# KiCad board panel.kicad_pcb (continued)
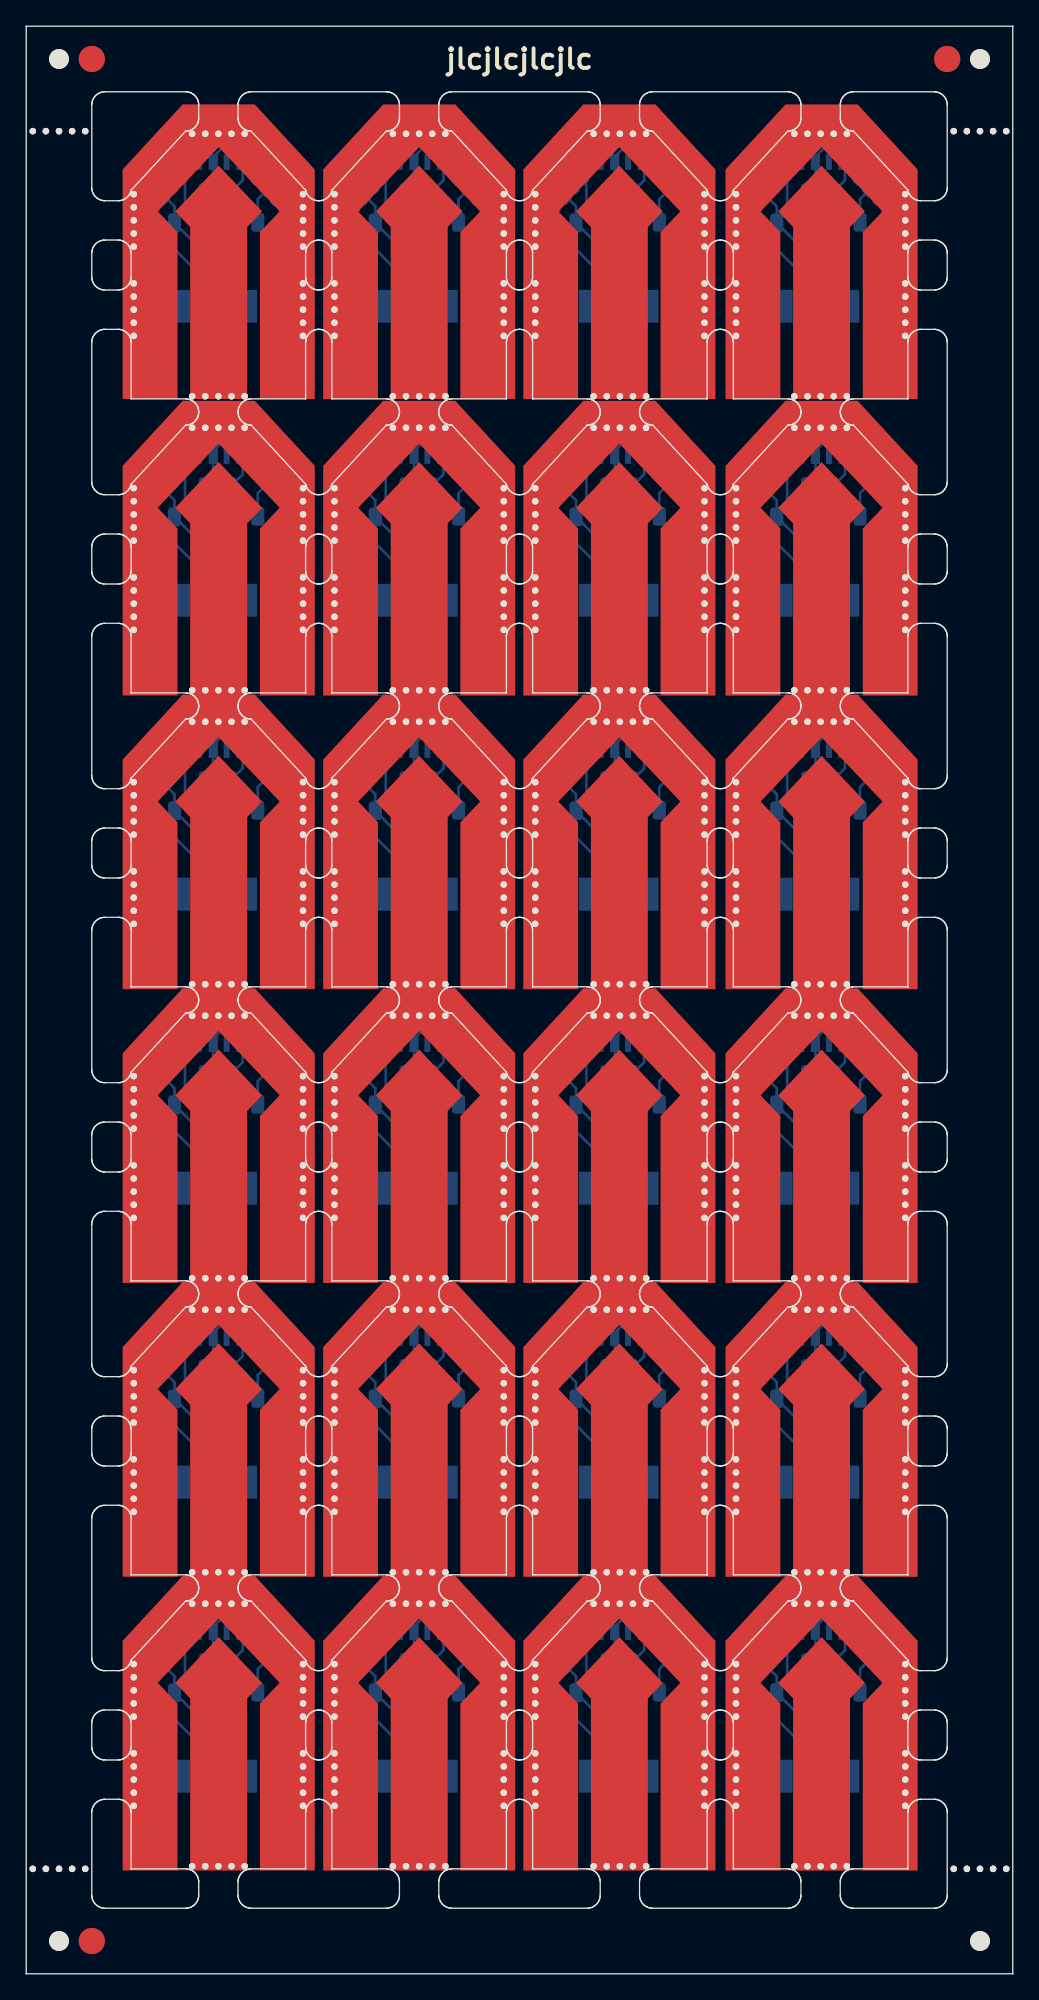
[diagram p0: board, top side]
## Placement (name value [footprint] x y rotation side) (continued)
KiKit_MB_47_2  -  [NPTH]  59.58 117.89 0 top
KiKit_MB_47_3  -  [NPTH]  60.58 117.89 0 top
KiKit_MB_47_4  -  [NPTH]  61.58 117.89 0 top
KiKit_MB_47_5  -  [NPTH]  62.58 117.89 0 top
KiKit_MB_48_1  -  [NPTH]  62.58 97.87 0 top
KiKit_MB_48_2  -  [NPTH]  61.58 97.87 0 top
KiKit_MB_48_3  -  [NPTH]  60.58 97.87 0 top
KiKit_MB_48_4  -  [NPTH]  59.58 97.87 0 top
KiKit_MB_48_5  -  [NPTH]  58.58 97.87 0 top
KiKit_MB_49_1  -  [NPTH]  8.2 86.87 0 top
KiKit_MB_49_2  -  [NPTH]  8.2 87.87 0 top
KiKit_MB_49_3  -  [NPTH]  8.2 88.87 0 top
KiKit_MB_49_4  -  [NPTH]  8.2 89.87 0 top
KiKit_MB_49_5  -  [NPTH]  8.2 90.87 0 top
KiKit_MB_50_1  -  [NPTH]  8.2 80.06 0 top
KiKit_MB_50_2  -  [NPTH]  8.2 81.06 0 top
KiKit_MB_50_3  -  [NPTH]  8.2 82.06 0 top
KiKit_MB_50_4  -  [NPTH]  8.2 83.06 0 top
KiKit_MB_50_5  -  [NPTH]  8.2 84.06 0 top
KiKit_MB_51_1  -  [NPTH]  21.11 90.87 0 top
KiKit_MB_51_2  -  [NPTH]  21.11 89.87 0 top
KiKit_MB_51_3  -  [NPTH]  21.11 88.87 0 top
KiKit_MB_51_4  -  [NPTH]  21.11 87.87 0 top
KiKit_MB_51_5  -  [NPTH]  21.11 86.87 0 top
KiKit_MB_52_1  -  [NPTH]  21.11 84.06 0 top
KiKit_MB_52_2  -  [NPTH]  21.11 83.06 0 top
KiKit_MB_52_3  -  [NPTH]  21.11 82.06 0 top
KiKit_MB_52_4  -  [NPTH]  21.11 81.06 0 top
KiKit_MB_52_5  -  [NPTH]  21.11 80.06 0 top
KiKit_MB_53_1  -  [NPTH]  12.65 95.47 0 top
KiKit_MB_53_2  -  [NPTH]  13.65 95.47 0 top
KiKit_MB_53_3  -  [NPTH]  14.65 95.47 0 top
KiKit_MB_53_4  -  [NPTH]  15.65 95.47 0 top
KiKit_MB_53_5  -  [NPTH]  16.65 95.47 0 top
KiKit_MB_54_1  -  [NPTH]  16.65 75.45 0 top
KiKit_MB_54_2  -  [NPTH]  15.65 75.45 0 top
KiKit_MB_54_3  -  [NPTH]  14.65 75.45 0 top
KiKit_MB_54_4  -  [NPTH]  13.65 75.45 0 top
KiKit_MB_54_5  -  [NPTH]  12.65 75.45 0 top
KiKit_MB_55_1  -  [NPTH]  23.51 86.87 0 top
KiKit_MB_55_2  -  [NPTH]  23.51 87.87 0 top
KiKit_MB_55_3  -  [NPTH]  23.51 88.87 0 top
KiKit_MB_55_4  -  [NPTH]  23.51 89.87 0 top
KiKit_MB_55_5  -  [NPTH]  23.51 90.87 0 top
KiKit_MB_56_1  -  [NPTH]  23.51 80.06 0 top
KiKit_MB_56_2  -  [NPTH]  23.51 81.06 0 top
KiKit_MB_56_3  -  [NPTH]  23.51 82.06 0 top
KiKit_MB_56_4  -  [NPTH]  23.51 83.06 0 top
KiKit_MB_56_5  -  [NPTH]  23.51 84.06 0 top
KiKit_MB_57_1  -  [NPTH]  36.42 90.87 0 top
KiKit_MB_57_2  -  [NPTH]  36.42 89.87 0 top
KiKit_MB_57_3  -  [NPTH]  36.42 88.87 0 top
KiKit_MB_57_4  -  [NPTH]  36.42 87.87 0 top
KiKit_MB_57_5  -  [NPTH]  36.42 86.87 0 top
KiKit_MB_58_1  -  [NPTH]  36.42 84.06 0 top
KiKit_MB_58_2  -  [NPTH]  36.42 83.06 0 top
KiKit_MB_58_3  -  [NPTH]  36.42 82.06 0 top
KiKit_MB_58_4  -  [NPTH]  36.42 81.06 0 top
KiKit_MB_58_5  -  [NPTH]  36.42 80.06 0 top
KiKit_MB_59_1  -  [NPTH]  27.96 95.47 0 top
KiKit_MB_59_2  -  [NPTH]  28.96 95.47 0 top
KiKit_MB_59_3  -  [NPTH]  29.96 95.47 0 top
KiKit_MB_59_4  -  [NPTH]  30.96 95.47 0 top
KiKit_MB_59_5  -  [NPTH]  31.96 95.47 0 top
KiKit_MB_60_1  -  [NPTH]  31.96 75.45 0 top
KiKit_MB_60_2  -  [NPTH]  30.96 75.45 0 top
KiKit_MB_60_3  -  [NPTH]  29.96 75.45 0 top
KiKit_MB_60_4  -  [NPTH]  28.96 75.45 0 top
KiKit_MB_60_5  -  [NPTH]  27.96 75.45 0 top
KiKit_MB_61_1  -  [NPTH]  38.82 86.87 0 top
KiKit_MB_61_2  -  [NPTH]  38.82 87.87 0 top
KiKit_MB_61_3  -  [NPTH]  38.82 88.87 0 top
KiKit_MB_61_4  -  [NPTH]  38.82 89.87 0 top
KiKit_MB_61_5  -  [NPTH]  38.82 90.87 0 top
KiKit_MB_62_1  -  [NPTH]  38.82 80.06 0 top
KiKit_MB_62_2  -  [NPTH]  38.82 81.06 0 top
KiKit_MB_62_3  -  [NPTH]  38.82 82.06 0 top
KiKit_MB_62_4  -  [NPTH]  38.82 83.06 0 top
KiKit_MB_62_5  -  [NPTH]  38.82 84.06 0 top
KiKit_MB_63_1  -  [NPTH]  51.73 90.87 0 top
KiKit_MB_63_2  -  [NPTH]  51.73 89.87 0 top
KiKit_MB_63_3  -  [NPTH]  51.73 88.87 0 top
KiKit_MB_63_4  -  [NPTH]  51.73 87.87 0 top
KiKit_MB_63_5  -  [NPTH]  51.73 86.87 0 top
KiKit_MB_64_1  -  [NPTH]  51.73 84.06 0 top
KiKit_MB_64_2  -  [NPTH]  51.73 83.06 0 top
KiKit_MB_64_3  -  [NPTH]  51.73 82.06 0 top
KiKit_MB_64_4  -  [NPTH]  51.73 81.06 0 top
KiKit_MB_64_5  -  [NPTH]  51.73 80.06 0 top
KiKit_MB_65_1  -  [NPTH]  43.27 95.47 0 top
KiKit_MB_65_2  -  [NPTH]  44.27 95.47 0 top
KiKit_MB_65_3  -  [NPTH]  45.27 95.47 0 top
KiKit_MB_65_4  -  [NPTH]  46.27 95.47 0 top
KiKit_MB_65_5  -  [NPTH]  47.27 95.47 0 top
KiKit_MB_66_1  -  [NPTH]  47.27 75.45 0 top
KiKit_MB_66_2  -  [NPTH]  46.27 75.45 0 top
KiKit_MB_66_3  -  [NPTH]  45.27 75.45 0 top
KiKit_MB_66_4  -  [NPTH]  44.27 75.45 0 top
KiKit_MB_66_5  -  [NPTH]  43.27 75.45 0 top
KiKit_MB_67_1  -  [NPTH]  54.13 86.87 0 top
KiKit_MB_67_2  -  [NPTH]  54.13 87.87 0 top
KiKit_MB_67_3  -  [NPTH]  54.13 88.87 0 top
KiKit_MB_67_4  -  [NPTH]  54.13 89.87 0 top
KiKit_MB_67_5  -  [NPTH]  54.13 90.87 0 top
KiKit_MB_68_1  -  [NPTH]  54.13 80.06 0 top
KiKit_MB_68_2  -  [NPTH]  54.13 81.06 0 top
KiKit_MB_68_3  -  [NPTH]  54.13 82.06 0 top
KiKit_MB_68_4  -  [NPTH]  54.13 83.06 0 top
KiKit_MB_68_5  -  [NPTH]  54.13 84.06 0 top
KiKit_MB_69_1  -  [NPTH]  67.03 90.87 0 top
KiKit_MB_69_2  -  [NPTH]  67.03 89.87 0 top
KiKit_MB_69_3  -  [NPTH]  67.03 88.87 0 top
KiKit_MB_69_4  -  [NPTH]  67.03 87.87 0 top
KiKit_MB_69_5  -  [NPTH]  67.03 86.87 0 top
KiKit_MB_70_1  -  [NPTH]  67.03 84.06 0 top
KiKit_MB_70_2  -  [NPTH]  67.03 83.06 0 top
KiKit_MB_70_3  -  [NPTH]  67.03 82.06 0 top
KiKit_MB_70_4  -  [NPTH]  67.03 81.06 0 top
KiKit_MB_70_5  -  [NPTH]  67.03 80.06 0 top
KiKit_MB_71_1  -  [NPTH]  58.58 95.47 0 top
KiKit_MB_71_2  -  [NPTH]  59.58 95.47 0 top
KiKit_MB_71_3  -  [NPTH]  60.58 95.47 0 top
KiKit_MB_71_4  -  [NPTH]  61.58 95.47 0 top
KiKit_MB_71_5  -  [NPTH]  62.58 95.47 0 top
KiKit_MB_72_1  -  [NPTH]  62.58 75.45 0 top
KiKit_MB_72_2  -  [NPTH]  61.58 75.45 0 top
KiKit_MB_72_3  -  [NPTH]  60.58 75.45 0 top
KiKit_MB_72_4  -  [NPTH]  59.58 75.45 0 top
KiKit_MB_72_5  -  [NPTH]  58.58 75.45 0 top
KiKit_MB_73_1  -  [NPTH]  8.2 64.45 0 top
KiKit_MB_73_2  -  [NPTH]  8.2 65.45 0 top
KiKit_MB_73_3  -  [NPTH]  8.2 66.45 0 top
KiKit_MB_73_4  -  [NPTH]  8.2 67.45 0 top
KiKit_MB_73_5  -  [NPTH]  8.2 68.45 0 top
KiKit_MB_74_1  -  [NPTH]  8.2 57.64 0 top
KiKit_MB_74_2  -  [NPTH]  8.2 58.64 0 top
KiKit_MB_74_3  -  [NPTH]  8.2 59.64 0 top
KiKit_MB_74_4  -  [NPTH]  8.2 60.64 0 top
KiKit_MB_74_5  -  [NPTH]  8.2 61.64 0 top
KiKit_MB_75_1  -  [NPTH]  21.11 68.45 0 top
KiKit_MB_75_2  -  [NPTH]  21.11 67.45 0 top
KiKit_MB_75_3  -  [NPTH]  21.11 66.45 0 top
KiKit_MB_75_4  -  [NPTH]  21.11 65.45 0 top
KiKit_MB_75_5  -  [NPTH]  21.11 64.45 0 top
KiKit_MB_76_1  -  [NPTH]  21.11 61.64 0 top
KiKit_MB_76_2  -  [NPTH]  21.11 60.64 0 top
KiKit_MB_76_3  -  [NPTH]  21.11 59.64 0 top
KiKit_MB_76_4  -  [NPTH]  21.11 58.64 0 top
KiKit_MB_76_5  -  [NPTH]  21.11 57.64 0 top
KiKit_MB_77_1  -  [NPTH]  12.65 73.05 0 top
KiKit_MB_77_2  -  [NPTH]  13.65 73.05 0 top
KiKit_MB_77_3  -  [NPTH]  14.65 73.05 0 top
KiKit_MB_77_4  -  [NPTH]  15.65 73.05 0 top
KiKit_MB_77_5  -  [NPTH]  16.65 73.05 0 top
KiKit_MB_78_1  -  [NPTH]  16.65 53.04 0 top
KiKit_MB_78_2  -  [NPTH]  15.65 53.04 0 top
KiKit_MB_78_3  -  [NPTH]  14.65 53.04 0 top
KiKit_MB_78_4  -  [NPTH]  13.65 53.04 0 top
KiKit_MB_78_5  -  [NPTH]  12.65 53.04 0 top
KiKit_MB_79_1  -  [NPTH]  23.51 64.45 0 top
KiKit_MB_79_2  -  [NPTH]  23.51 65.45 0 top
KiKit_MB_79_3  -  [NPTH]  23.51 66.45 0 top
KiKit_MB_79_4  -  [NPTH]  23.51 67.45 0 top
KiKit_MB_79_5  -  [NPTH]  23.51 68.45 0 top
KiKit_MB_80_1  -  [NPTH]  23.51 57.64 0 top
KiKit_MB_80_2  -  [NPTH]  23.51 58.64 0 top
KiKit_MB_80_3  -  [NPTH]  23.51 59.64 0 top
KiKit_MB_80_4  -  [NPTH]  23.51 60.64 0 top
KiKit_MB_80_5  -  [NPTH]  23.51 61.64 0 top
KiKit_MB_81_1  -  [NPTH]  36.42 68.45 0 top
KiKit_MB_81_2  -  [NPTH]  36.42 67.45 0 top
KiKit_MB_81_3  -  [NPTH]  36.42 66.45 0 top
KiKit_MB_81_4  -  [NPTH]  36.42 65.45 0 top
KiKit_MB_81_5  -  [NPTH]  36.42 64.45 0 top
KiKit_MB_82_1  -  [NPTH]  36.42 61.64 0 top
KiKit_MB_82_2  -  [NPTH]  36.42 60.64 0 top
KiKit_MB_82_3  -  [NPTH]  36.42 59.64 0 top
KiKit_MB_82_4  -  [NPTH]  36.42 58.64 0 top
KiKit_MB_82_5  -  [NPTH]  36.42 57.64 0 top
KiKit_MB_83_1  -  [NPTH]  27.96 73.05 0 top
KiKit_MB_83_2  -  [NPTH]  28.96 73.05 0 top
KiKit_MB_83_3  -  [NPTH]  29.96 73.05 0 top
KiKit_MB_83_4  -  [NPTH]  30.96 73.05 0 top
KiKit_MB_83_5  -  [NPTH]  31.96 73.05 0 top
KiKit_MB_84_1  -  [NPTH]  31.96 53.04 0 top
KiKit_MB_84_2  -  [NPTH]  30.96 53.04 0 top
KiKit_MB_84_3  -  [NPTH]  29.96 53.04 0 top
KiKit_MB_84_4  -  [NPTH]  28.96 53.04 0 top
KiKit_MB_84_5  -  [NPTH]  27.96 53.04 0 top
KiKit_MB_85_1  -  [NPTH]  38.82 64.45 0 top
KiKit_MB_85_2  -  [NPTH]  38.82 65.45 0 top
KiKit_MB_85_3  -  [NPTH]  38.82 66.45 0 top
KiKit_MB_85_4  -  [NPTH]  38.82 67.45 0 top
KiKit_MB_85_5  -  [NPTH]  38.82 68.45 0 top
KiKit_MB_86_1  -  [NPTH]  38.82 57.64 0 top
KiKit_MB_86_2  -  [NPTH]  38.82 58.64 0 top
KiKit_MB_86_3  -  [NPTH]  38.82 59.64 0 top
KiKit_MB_86_4  -  [NPTH]  38.82 60.64 0 top
KiKit_MB_86_5  -  [NPTH]  38.82 61.64 0 top
KiKit_MB_87_1  -  [NPTH]  51.73 68.45 0 top
KiKit_MB_87_2  -  [NPTH]  51.73 67.45 0 top
KiKit_MB_87_3  -  [NPTH]  51.73 66.45 0 top
KiKit_MB_87_4  -  [NPTH]  51.73 65.45 0 top
KiKit_MB_87_5  -  [NPTH]  51.73 64.45 0 top
KiKit_MB_88_1  -  [NPTH]  51.73 61.64 0 top
KiKit_MB_88_2  -  [NPTH]  51.73 60.64 0 top
KiKit_MB_88_3  -  [NPTH]  51.73 59.64 0 top
KiKit_MB_88_4  -  [NPTH]  51.73 58.64 0 top
KiKit_MB_88_5  -  [NPTH]  51.73 57.64 0 top
KiKit_MB_89_1  -  [NPTH]  43.27 73.05 0 top
KiKit_MB_89_2  -  [NPTH]  44.27 73.05 0 top
KiKit_MB_89_3  -  [NPTH]  45.27 73.05 0 top
KiKit_MB_89_4  -  [NPTH]  46.27 73.05 0 top
KiKit_MB_89_5  -  [NPTH]  47.27 73.05 0 top
KiKit_MB_90_1  -  [NPTH]  47.27 53.04 0 top
KiKit_MB_90_2  -  [NPTH]  46.27 53.04 0 top
KiKit_MB_90_3  -  [NPTH]  45.27 53.04 0 top
KiKit_MB_90_4  -  [NPTH]  44.27 53.04 0 top
KiKit_MB_90_5  -  [NPTH]  43.27 53.04 0 top
KiKit_MB_91_1  -  [NPTH]  54.13 64.45 0 top
KiKit_MB_91_2  -  [NPTH]  54.13 65.45 0 top
KiKit_MB_91_3  -  [NPTH]  54.13 66.45 0 top
KiKit_MB_91_4  -  [NPTH]  54.13 67.45 0 top
KiKit_MB_91_5  -  [NPTH]  54.13 68.45 0 top
KiKit_MB_92_1  -  [NPTH]  54.13 57.64 0 top
KiKit_MB_92_2  -  [NPTH]  54.13 58.64 0 top
KiKit_MB_92_3  -  [NPTH]  54.13 59.64 0 top
KiKit_MB_92_4  -  [NPTH]  54.13 60.64 0 top
KiKit_MB_92_5  -  [NPTH]  54.13 61.64 0 top
KiKit_MB_93_1  -  [NPTH]  67.03 68.45 0 top
KiKit_MB_93_2  -  [NPTH]  67.03 67.45 0 top
KiKit_MB_93_3  -  [NPTH]  67.03 66.45 0 top
KiKit_MB_93_4  -  [NPTH]  67.03 65.45 0 top
KiKit_MB_93_5  -  [NPTH]  67.03 64.45 0 top
KiKit_MB_94_1  -  [NPTH]  67.03 61.64 0 top
KiKit_MB_94_2  -  [NPTH]  67.03 60.64 0 top
KiKit_MB_94_3  -  [NPTH]  67.03 59.64 0 top
KiKit_MB_94_4  -  [NPTH]  67.03 58.64 0 top
KiKit_MB_94_5  -  [NPTH]  67.03 57.64 0 top
KiKit_MB_95_1  -  [NPTH]  58.58 73.05 0 top
KiKit_MB_95_2  -  [NPTH]  59.58 73.05 0 top
KiKit_MB_95_3  -  [NPTH]  60.58 73.05 0 top
KiKit_MB_95_4  -  [NPTH]  61.58 73.05 0 top
KiKit_MB_95_5  -  [NPTH]  62.58 73.05 0 top
KiKit_MB_96_1  -  [NPTH]  62.58 53.04 0 top
KiKit_MB_96_2  -  [NPTH]  61.58 53.04 0 top
KiKit_MB_96_3  -  [NPTH]  60.58 53.04 0 top
KiKit_MB_96_4  -  [NPTH]  59.58 53.04 0 top
KiKit_MB_96_5  -  [NPTH]  58.58 53.04 0 top
KiKit_MB_97_1  -  [NPTH]  8.2 42.03 0 top
KiKit_MB_97_2  -  [NPTH]  8.2 43.03 0 top
KiKit_MB_97_3  -  [NPTH]  8.2 44.03 0 top
KiKit_MB_97_4  -  [NPTH]  8.2 45.03 0 top
KiKit_MB_97_5  -  [NPTH]  8.2 46.03 0 top
KiKit_MB_98_1  -  [NPTH]  8.2 35.22 0 top
KiKit_MB_98_2  -  [NPTH]  8.2 36.22 0 top
KiKit_MB_98_3  -  [NPTH]  8.2 37.22 0 top
KiKit_MB_98_4  -  [NPTH]  8.2 38.22 0 top
KiKit_MB_98_5  -  [NPTH]  8.2 39.22 0 top
KiKit_MB_99_1  -  [NPTH]  21.11 46.03 0 top
KiKit_MB_99_2  -  [NPTH]  21.11 45.03 0 top
KiKit_MB_99_3  -  [NPTH]  21.11 44.03 0 top
KiKit_MB_99_4  -  [NPTH]  21.11 43.03 0 top
KiKit_MB_99_5  -  [NPTH]  21.11 42.03 0 top
KiKit_MB_100_1  -  [NPTH]  21.11 39.22 0 top
KiKit_MB_100_2  -  [NPTH]  21.11 38.22 0 top
KiKit_MB_100_3  -  [NPTH]  21.11 37.22 0 top
KiKit_MB_100_4  -  [NPTH]  21.11 36.22 0 top
KiKit_MB_100_5  -  [NPTH]  21.11 35.22 0 top
KiKit_MB_101_1  -  [NPTH]  12.65 50.64 0 top
KiKit_MB_101_2  -  [NPTH]  13.65 50.64 0 top
KiKit_MB_101_3  -  [NPTH]  14.65 50.64 0 top
KiKit_MB_101_4  -  [NPTH]  15.65 50.64 0 top
KiKit_MB_101_5  -  [NPTH]  16.65 50.64 0 top
KiKit_MB_102_1  -  [NPTH]  16.65 30.62 0 top
KiKit_MB_102_2  -  [NPTH]  15.65 30.62 0 top
KiKit_MB_102_3  -  [NPTH]  14.65 30.62 0 top
KiKit_MB_102_4  -  [NPTH]  13.65 30.62 0 top
KiKit_MB_102_5  -  [NPTH]  12.65 30.62 0 top
KiKit_MB_103_1  -  [NPTH]  23.51 42.03 0 top
KiKit_MB_103_2  -  [NPTH]  23.51 43.03 0 top
KiKit_MB_103_3  -  [NPTH]  23.51 44.03 0 top
KiKit_MB_103_4  -  [NPTH]  23.51 45.03 0 top
KiKit_MB_103_5  -  [NPTH]  23.51 46.03 0 top
KiKit_MB_104_1  -  [NPTH]  23.51 35.22 0 top
KiKit_MB_104_2  -  [NPTH]  23.51 36.22 0 top
KiKit_MB_104_3  -  [NPTH]  23.51 37.22 0 top
KiKit_MB_104_4  -  [NPTH]  23.51 38.22 0 top
KiKit_MB_104_5  -  [NPTH]  23.51 39.22 0 top
KiKit_MB_105_1  -  [NPTH]  36.42 46.03 0 top
KiKit_MB_105_2  -  [NPTH]  36.42 45.03 0 top
KiKit_MB_105_3  -  [NPTH]  36.42 44.03 0 top
KiKit_MB_105_4  -  [NPTH]  36.42 43.03 0 top
KiKit_MB_105_5  -  [NPTH]  36.42 42.03 0 top
KiKit_MB_106_1  -  [NPTH]  36.42 39.22 0 top
KiKit_MB_106_2  -  [NPTH]  36.42 38.22 0 top
KiKit_MB_106_3  -  [NPTH]  36.42 37.22 0 top
KiKit_MB_106_4  -  [NPTH]  36.42 36.22 0 top
KiKit_MB_106_5  -  [NPTH]  36.42 35.22 0 top
KiKit_MB_107_1  -  [NPTH]  27.96 50.64 0 top
KiKit_MB_107_2  -  [NPTH]  28.96 50.64 0 top
KiKit_MB_107_3  -  [NPTH]  29.96 50.64 0 top
KiKit_MB_107_4  -  [NPTH]  30.96 50.64 0 top
KiKit_MB_107_5  -  [NPTH]  31.96 50.64 0 top
KiKit_MB_108_1  -  [NPTH]  31.96 30.62 0 top
KiKit_MB_108_2  -  [NPTH]  30.96 30.62 0 top
KiKit_MB_108_3  -  [NPTH]  29.96 30.62 0 top
KiKit_MB_108_4  -  [NPTH]  28.96 30.62 0 top
KiKit_MB_108_5  -  [NPTH]  27.96 30.62 0 top
KiKit_MB_109_1  -  [NPTH]  38.82 42.03 0 top
KiKit_MB_109_2  -  [NPTH]  38.82 43.03 0 top
KiKit_MB_109_3  -  [NPTH]  38.82 44.03 0 top
KiKit_MB_109_4  -  [NPTH]  38.82 45.03 0 top
KiKit_MB_109_5  -  [NPTH]  38.82 46.03 0 top
KiKit_MB_110_1  -  [NPTH]  38.82 35.22 0 top
KiKit_MB_110_2  -  [NPTH]  38.82 36.22 0 top
KiKit_MB_110_3  -  [NPTH]  38.82 37.22 0 top
KiKit_MB_110_4  -  [NPTH]  38.82 38.22 0 top
KiKit_MB_110_5  -  [NPTH]  38.82 39.22 0 top
KiKit_MB_111_1  -  [NPTH]  51.73 46.03 0 top
KiKit_MB_111_2  -  [NPTH]  51.73 45.03 0 top
KiKit_MB_111_3  -  [NPTH]  51.73 44.03 0 top
KiKit_MB_111_4  -  [NPTH]  51.73 43.03 0 top
KiKit_MB_111_5  -  [NPTH]  51.73 42.03 0 top
KiKit_MB_112_1  -  [NPTH]  51.73 39.22 0 top
KiKit_MB_112_2  -  [NPTH]  51.73 38.22 0 top
KiKit_MB_112_3  -  [NPTH]  51.73 37.22 0 top
KiKit_MB_112_4  -  [NPTH]  51.73 36.22 0 top
KiKit_MB_112_5  -  [NPTH]  51.73 35.22 0 top
KiKit_MB_113_1  -  [NPTH]  43.27 50.64 0 top
KiKit_MB_113_2  -  [NPTH]  44.27 50.64 0 top
KiKit_MB_113_3  -  [NPTH]  45.27 50.64 0 top
KiKit_MB_113_4  -  [NPTH]  46.27 50.64 0 top
KiKit_MB_113_5  -  [NPTH]  47.27 50.64 0 top
KiKit_MB_114_1  -  [NPTH]  47.27 30.62 0 top
KiKit_MB_114_2  -  [NPTH]  46.27 30.62 0 top
KiKit_MB_114_3  -  [NPTH]  45.27 30.62 0 top
KiKit_MB_114_4  -  [NPTH]  44.27 30.62 0 top
KiKit_MB_114_5  -  [NPTH]  43.27 30.62 0 top
KiKit_MB_115_1  -  [NPTH]  54.13 42.03 0 top
KiKit_MB_115_2  -  [NPTH]  54.13 43.03 0 top
KiKit_MB_115_3  -  [NPTH]  54.13 44.03 0 top
KiKit_MB_115_4  -  [NPTH]  54.13 45.03 0 top
KiKit_MB_115_5  -  [NPTH]  54.13 46.03 0 top
KiKit_MB_116_1  -  [NPTH]  54.13 35.22 0 top
KiKit_MB_116_2  -  [NPTH]  54.13 36.22 0 top
KiKit_MB_116_3  -  [NPTH]  54.13 37.22 0 top
KiKit_MB_116_4  -  [NPTH]  54.13 38.22 0 top
KiKit_MB_116_5  -  [NPTH]  54.13 39.22 0 top
KiKit_MB_117_1  -  [NPTH]  67.03 46.03 0 top
KiKit_MB_117_2  -  [NPTH]  67.03 45.03 0 top
KiKit_MB_117_3  -  [NPTH]  67.03 44.03 0 top
KiKit_MB_117_4  -  [NPTH]  67.03 43.03 0 top
KiKit_MB_117_5  -  [NPTH]  67.03 42.03 0 top
KiKit_MB_118_1  -  [NPTH]  67.03 39.22 0 top
KiKit_MB_118_2  -  [NPTH]  67.03 38.22 0 top
KiKit_MB_118_3  -  [NPTH]  67.03 37.22 0 top
KiKit_MB_118_4  -  [NPTH]  67.03 36.22 0 top
KiKit_MB_118_5  -  [NPTH]  67.03 35.22 0 top
KiKit_MB_119_1  -  [NPTH]  58.58 50.64 0 top
KiKit_MB_119_2  -  [NPTH]  59.58 50.64 0 top
KiKit_MB_119_3  -  [NPTH]  60.58 50.64 0 top
KiKit_MB_119_4  -  [NPTH]  61.58 50.64 0 top
KiKit_MB_119_5  -  [NPTH]  62.58 50.64 0 top
KiKit_MB_120_1  -  [NPTH]  62.58 30.62 0 top
KiKit_MB_120_2  -  [NPTH]  61.58 30.62 0 top
KiKit_MB_120_3  -  [NPTH]  60.58 30.62 0 top
KiKit_MB_120_4  -  [NPTH]  59.58 30.62 0 top
KiKit_MB_120_5  -  [NPTH]  58.58 30.62 0 top
KiKit_MB_121_1  -  [NPTH]  8.2 19.61 0 top
KiKit_MB_121_2  -  [NPTH]  8.2 20.61 0 top
KiKit_MB_121_3  -  [NPTH]  8.2 21.61 0 top
KiKit_MB_121_4  -  [NPTH]  8.2 22.61 0 top
KiKit_MB_121_5  -  [NPTH]  8.2 23.61 0 top
KiKit_MB_122_1  -  [NPTH]  8.2 12.81 0 top
KiKit_MB_122_2  -  [NPTH]  8.2 13.81 0 top
KiKit_MB_122_3  -  [NPTH]  8.2 14.81 0 top
KiKit_MB_122_4  -  [NPTH]  8.2 15.81 0 top
KiKit_MB_122_5  -  [NPTH]  8.2 16.81 0 top
KiKit_MB_123_1  -  [NPTH]  21.11 23.61 0 top
KiKit_MB_123_2  -  [NPTH]  21.11 22.61 0 top
KiKit_MB_123_3  -  [NPTH]  21.11 21.61 0 top
KiKit_MB_123_4  -  [NPTH]  21.11 20.61 0 top
KiKit_MB_123_5  -  [NPTH]  21.11 19.61 0 top
KiKit_MB_124_1  -  [NPTH]  21.11 16.81 0 top
KiKit_MB_124_2  -  [NPTH]  21.11 15.81 0 top
KiKit_MB_124_3  -  [NPTH]  21.11 14.81 0 top
KiKit_MB_124_4  -  [NPTH]  21.11 13.81 0 top
KiKit_MB_124_5  -  [NPTH]  21.11 12.81 0 top
KiKit_MB_125_1  -  [NPTH]  12.65 28.22 0 top
KiKit_MB_125_2  -  [NPTH]  13.65 28.22 0 top
KiKit_MB_125_3  -  [NPTH]  14.65 28.22 0 top
KiKit_MB_125_4  -  [NPTH]  15.65 28.22 0 top
KiKit_MB_125_5  -  [NPTH]  16.65 28.22 0 top
KiKit_MB_126_1  -  [NPTH]  16.65 8.2 0 top
KiKit_MB_126_2  -  [NPTH]  15.65 8.2 0 top
KiKit_MB_126_3  -  [NPTH]  14.65 8.2 0 top
KiKit_MB_126_4  -  [NPTH]  13.65 8.2 0 top
KiKit_MB_126_5  -  [NPTH]  12.65 8.2 0 top
KiKit_MB_127_1  -  [NPTH]  23.51 19.61 0 top
KiKit_MB_127_2  -  [NPTH]  23.51 20.61 0 top
KiKit_MB_127_3  -  [NPTH]  23.51 21.61 0 top
KiKit_MB_127_4  -  [NPTH]  23.51 22.61 0 top
KiKit_MB_127_5  -  [NPTH]  23.51 23.61 0 top
KiKit_MB_128_1  -  [NPTH]  23.51 12.81 0 top
KiKit_MB_128_2  -  [NPTH]  23.51 13.81 0 top
KiKit_MB_128_3  -  [NPTH]  23.51 14.81 0 top
KiKit_MB_128_4  -  [NPTH]  23.51 15.81 0 top
KiKit_MB_128_5  -  [NPTH]  23.51 16.81 0 top
KiKit_MB_129_1  -  [NPTH]  36.42 23.61 0 top
KiKit_MB_129_2  -  [NPTH]  36.42 22.61 0 top
KiKit_MB_129_3  -  [NPTH]  36.42 21.61 0 top
KiKit_MB_129_4  -  [NPTH]  36.42 20.61 0 top
KiKit_MB_129_5  -  [NPTH]  36.42 19.61 0 top
KiKit_MB_130_1  -  [NPTH]  36.42 16.81 0 top
KiKit_MB_130_2  -  [NPTH]  36.42 15.81 0 top
KiKit_MB_130_3  -  [NPTH]  36.42 14.81 0 top
KiKit_MB_130_4  -  [NPTH]  36.42 13.81 0 top
KiKit_MB_130_5  -  [NPTH]  36.42 12.81 0 top
KiKit_MB_131_1  -  [NPTH]  27.96 28.22 0 top
KiKit_MB_131_2  -  [NPTH]  28.96 28.22 0 top
KiKit_MB_131_3  -  [NPTH]  29.96 28.22 0 top
KiKit_MB_131_4  -  [NPTH]  30.96 28.22 0 top
KiKit_MB_131_5  -  [NPTH]  31.96 28.22 0 top
KiKit_MB_132_1  -  [NPTH]  31.96 8.2 0 top
KiKit_MB_132_2  -  [NPTH]  30.96 8.2 0 top
KiKit_MB_132_3  -  [NPTH]  29.96 8.2 0 top
KiKit_MB_132_4  -  [NPTH]  28.96 8.2 0 top
KiKit_MB_132_5  -  [NPTH]  27.96 8.2 0 top
KiKit_MB_133_1  -  [NPTH]  38.82 19.61 0 top
KiKit_MB_133_2  -  [NPTH]  38.82 20.61 0 top
KiKit_MB_133_3  -  [NPTH]  38.82 21.61 0 top
KiKit_MB_133_4  -  [NPTH]  38.82 22.61 0 top
KiKit_MB_133_5  -  [NPTH]  38.82 23.61 0 top
KiKit_MB_134_1  -  [NPTH]  38.82 12.81 0 top
KiKit_MB_134_2  -  [NPTH]  38.82 13.81 0 top
KiKit_MB_134_3  -  [NPTH]  38.82 14.81 0 top
KiKit_MB_134_4  -  [NPTH]  38.82 15.81 0 top
KiKit_MB_134_5  -  [NPTH]  38.82 16.81 0 top
KiKit_MB_135_1  -  [NPTH]  51.73 23.61 0 top
KiKit_MB_135_2  -  [NPTH]  51.73 22.61 0 top
KiKit_MB_135_3  -  [NPTH]  51.73 21.61 0 top
KiKit_MB_135_4  -  [NPTH]  51.73 20.61 0 top
KiKit_MB_135_5  -  [NPTH]  51.73 19.61 0 top
KiKit_MB_136_1  -  [NPTH]  51.73 16.81 0 top
KiKit_MB_136_2  -  [NPTH]  51.73 15.81 0 top
KiKit_MB_136_3  -  [NPTH]  51.73 14.81 0 top
KiKit_MB_136_4  -  [NPTH]  51.73 13.81 0 top
KiKit_MB_136_5  -  [NPTH]  51.73 12.81 0 top
KiKit_MB_137_1  -  [NPTH]  43.27 28.22 0 top
KiKit_MB_137_2  -  [NPTH]  44.27 28.22 0 top
KiKit_MB_137_3  -  [NPTH]  45.27 28.22 0 top
KiKit_MB_137_4  -  [NPTH]  46.27 28.22 0 top
KiKit_MB_137_5  -  [NPTH]  47.27 28.22 0 top
KiKit_MB_138_1  -  [NPTH]  47.27 8.2 0 top
KiKit_MB_138_2  -  [NPTH]  46.27 8.2 0 top
KiKit_MB_138_3  -  [NPTH]  45.27 8.2 0 top
KiKit_MB_138_4  -  [NPTH]  44.27 8.2 0 top
KiKit_MB_138_5  -  [NPTH]  43.27 8.2 0 top
KiKit_MB_139_1  -  [NPTH]  54.13 19.61 0 top
KiKit_MB_139_2  -  [NPTH]  54.13 20.61 0 top
KiKit_MB_139_3  -  [NPTH]  54.13 21.61 0 top
KiKit_MB_139_4  -  [NPTH]  54.13 22.61 0 top
KiKit_MB_139_5  -  [NPTH]  54.13 23.61 0 top
KiKit_MB_140_1  -  [NPTH]  54.13 12.81 0 top
KiKit_MB_140_2  -  [NPTH]  54.13 13.81 0 top
KiKit_MB_140_3  -  [NPTH]  54.13 14.81 0 top
KiKit_MB_140_4  -  [NPTH]  54.13 15.81 0 top
KiKit_MB_140_5  -  [NPTH]  54.13 16.81 0 top
KiKit_MB_141_1  -  [NPTH]  67.03 23.61 0 top
KiKit_MB_141_2  -  [NPTH]  67.03 22.61 0 top
KiKit_MB_141_3  -  [NPTH]  67.03 21.61 0 top
KiKit_MB_141_4  -  [NPTH]  67.03 20.61 0 top
KiKit_MB_141_5  -  [NPTH]  67.03 19.61 0 top
KiKit_MB_142_1  -  [NPTH]  67.03 16.81 0 top
KiKit_MB_142_2  -  [NPTH]  67.03 15.81 0 top
KiKit_MB_142_3  -  [NPTH]  67.03 14.81 0 top
KiKit_MB_142_4  -  [NPTH]  67.03 13.81 0 top
KiKit_MB_142_5  -  [NPTH]  67.03 12.81 0 top
KiKit_MB_143_1  -  [NPTH]  58.58 28.22 0 top
KiKit_MB_143_2  -  [NPTH]  59.58 28.22 0 top
KiKit_MB_143_3  -  [NPTH]  60.58 28.22 0 top
KiKit_MB_143_4  -  [NPTH]  61.58 28.22 0 top
KiKit_MB_143_5  -  [NPTH]  62.58 28.22 0 top
KiKit_MB_144_1  -  [NPTH]  62.58 8.2 0 top
KiKit_MB_144_2  -  [NPTH]  61.58 8.2 0 top
KiKit_MB_144_3  -  [NPTH]  60.58 8.2 0 top
KiKit_MB_144_4  -  [NPTH]  59.58 8.2 0 top
KiKit_MB_144_5  -  [NPTH]  58.58 8.2 0 top
KiKit_MB_145_2  -  [NPTH]  0.5 140.51 0 top
KiKit_MB_145_3  -  [NPTH]  1.5 140.51 0 top
KiKit_MB_145_4  -  [NPTH]  2.5 140.51 0 top
KiKit_MB_145_5  -  [NPTH]  3.5 140.51 0 top
KiKit_MB_145_6  -  [NPTH]  4.5 140.51 0 top
KiKit_MB_146_2  -  [NPTH]  0.5 8 0 top
KiKit_MB_146_3  -  [NPTH]  1.5 8 0 top
KiKit_MB_146_4  -  [NPTH]  2.5 8 0 top
KiKit_MB_146_5  -  [NPTH]  3.5 8 0 top
KiKit_MB_146_6  -  [NPTH]  4.5 8 0 top
KiKit_MB_147_2  -  [NPTH]  70.73 140.51 0 top
KiKit_MB_147_3  -  [NPTH]  71.73 140.51 0 top
KiKit_MB_147_4  -  [NPTH]  72.73 140.51 0 top
KiKit_MB_147_5  -  [NPTH]  73.73 140.51 0 top
KiKit_MB_147_6  -  [NPTH]  74.73 140.51 0 top
KiKit_MB_148_2  -  [NPTH]  70.73 8 0 top
KiKit_MB_148_3  -  [NPTH]  71.73 8 0 top
KiKit_MB_148_4  -  [NPTH]  72.73 8 0 top
KiKit_MB_148_5  -  [NPTH]  73.73 8 0 top
KiKit_MB_148_6  -  [NPTH]  74.73 8 0 top
KiKit_TO_1  -  [NPTH#2]  2.5 146.01 0 top
KiKit_TO_2  -  [NPTH#2]  72.73 146.01 0 top
KiKit_TO_3  -  [NPTH#2]  2.5 2.5 0 top
KiKit_TO_4  -  [NPTH#2]  72.73 2.5 0 top

## Library data of the parts
C1 C1#2-C1#24 C2 C2#2-C2#24 C3 C3#2-C3#24 = -: Description: Unpolarized capacitor, small symbol
D1 D1#2-D1#24 D2 D2#2-D2#24 D3 D3#2-D3#24 = -: Datasheet: https://cdn-shop.adafruit.com/product-files/1138/SK6812+LED+datasheet+.pdf; Description: RGB LED with integrated controller
J9 J9#2-J9#24 = -: Description: Generic connector, single row, 01x03, script generated (kicad-library-utils/schlib/autogen/connector/)

## Footprints (pads in the part's own frame, mm; a bottom-side part is the same pattern mirrored in y, then rotated)
C_0805_2012Metric
  rrect 1x1.45 smd: 1(-0.95,0) 2(0.95,0)
Fiducial
  round 2 smd: (0,0)
NPTH
  round 0.5 hole 0.5 unplated: (0,0)
NPTH#2
  round 1.5 hole 1.5 unplated: (0,0)
PinHeader_1x03_P2.54mm_Vertical_SMD_Pin1Left
  rect 2.51x1 smd: 1(-1.655,2.54) 2(1.655,0) 3(-1.655,-2.54)
SK6812SIDE-A-RVS
  rect 1x0.55 smd: 1(-1.7,0.085) 4(1.9,0.075)
  rect 0.55x1.2 smd: 1(-1.475,0.01) 4(1.675,0.01)
  rect 0.7x1.2 smd: 2(-0.35,0.01)
  rect 0.45x1.2 smd: 3(0.675,0.01)

## Nets
Board_0-3v3: C1.2 C2#20.2 C3#12.2 D1#9.2 D2#16.2 D3#21.2 J9#7.2
Board_0-LEDout: D1#9.1 J9#7.1
Board_0-Net-(D1-3): D1#9.3 D2#16.1
Board_0-Net-(D2-3): D2#16.3 D3#21.1
Board_0-unconnected-(D3-Dout-Pad3): D3#21.3
Board_0-VSS: C1.1 C2#20.1 C3#12.1 D1#9.4 D2#16.4 D3#21.4 J9#7.3
Board_1-3v3: C1#23.2 C2#5.2 C3#16.2 D1#16.2 D2#8.2 D3#5.2 J9#3.2
Board_1-LEDout: D1#16.1 J9#3.1
Board_1-Net-(D1-3): D1#16.3 D2#8.1
Board_1-Net-(D2-3): D2#8.3 D3#5.1
Board_1-unconnected-(D3-Dout-Pad3): D3#5.3
Board_1-VSS: C1#23.1 C2#5.1 C3#16.1 D1#16.4 D2#8.4 D3#5.4 J9#3.3
Board_2-3v3: C1#13.2 C2#4.2 C3#14.2 D1#24.2 D2#14.2 D3#10.2 J9#9.2
Board_2-LEDout: D1#24.1 J9#9.1
Board_2-Net-(D1-3): D1#24.3 D2#14.1
Board_2-Net-(D2-3): D2#14.3 D3#10.1
Board_2-unconnected-(D3-Dout-Pad3): D3#10.3
Board_2-VSS: C1#13.1 C2#4.1 C3#14.1 D1#24.4 D2#14.4 D3#10.4 J9#9.3
Board_3-3v3: C1#14.2 C2#17.2 C3#5.2 D1#17.2 D2#7.2 D3#18.2 J9#19.2
Board_3-LEDout: D1#17.1 J9#19.1
Board_3-Net-(D1-3): D1#17.3 D2#7.1
Board_3-Net-(D2-3): D2#7.3 D3#18.1
Board_3-unconnected-(D3-Dout-Pad3): D3#18.3
Board_3-VSS: C1#14.1 C2#17.1 C3#5.1 D1#17.4 D2#7.4 D3#18.4 J9#19.3
Board_4-3v3: C1#18.2 C2#19.2 C3#6.2 D1#6.2 D2#12.2 D3.2 J9#22.2
Board_4-LEDout: D1#6.1 J9#22.1
Board_4-Net-(D1-3): D1#6.3 D2#12.1
Board_4-Net-(D2-3): D2#12.3 D3.1
Board_4-unconnected-(D3-Dout-Pad3): D3.3
Board_4-VSS: C1#18.1 C2#19.1 C3#6.1 D1#6.4 D2#12.4 D3.4 J9#22.3
Board_5-3v3: C1#22.2 C2#22.2 C3#8.2 D1#14.2 D2#22.2 D3#13.2 J9#13.2
Board_5-LEDout: D1#14.1 J9#13.1
Board_5-Net-(D1-3): D1#14.3 D2#22.1
Board_5-Net-(D2-3): D2#22.3 D3#13.1
Board_5-unconnected-(D3-Dout-Pad3): D3#13.3
Board_5-VSS: C1#22.1 C2#22.1 C3#8.1 D1#14.4 D2#22.4 D3#13.4 J9#13.3
Board_6-3v3: C1#11.2 C2#2.2 C3#9.2 D1#12.2 D2#18.2 D3#9.2 J9#2.2
Board_6-LEDout: D1#12.1 J9#2.1
Board_6-Net-(D1-3): D1#12.3 D2#18.1
Board_6-Net-(D2-3): D2#18.3 D3#9.1
Board_6-unconnected-(D3-Dout-Pad3): D3#9.3
Board_6-VSS: C1#11.1 C2#2.1 C3#9.1 D1#12.4 D2#18.4 D3#9.4 J9#2.3
Board_7-3v3: C1#2.2 C2#11.2 C3.2 D1.2 D2#15.2 D3#12.2 J9#16.2
Board_7-LEDout: D1.1 J9#16.1
Board_7-Net-(D1-3): D1.3 D2#15.1
Board_7-Net-(D2-3): D2#15.3 D3#12.1
Board_7-unconnected-(D3-Dout-Pad3): D3#12.3
Board_7-VSS: C1#2.1 C2#11.1 C3.1 D1.4 D2#15.4 D3#12.4 J9#16.3
Board_8-3v3: C1#3.2 C2.2 C3#4.2 D1#5.2 D2#10.2 D3#8.2 J9#4.2
Board_8-LEDout: D1#5.1 J9#4.1
Board_8-Net-(D1-3): D1#5.3 D2#10.1
Board_8-Net-(D2-3): D2#10.3 D3#8.1
Board_8-unconnected-(D3-Dout-Pad3): D3#8.3
Board_8-VSS: C1#3.1 C2.1 C3#4.1 D1#5.4 D2#10.4 D3#8.4 J9#4.3
Board_9-3v3: C1#5.2 C2#7.2 C3#2.2 D1#19.2 D2#24.2 D3#23.2 J9#23.2
Board_9-LEDout: D1#19.1 J9#23.1
Board_9-Net-(D1-3): D1#19.3 D2#24.1
Board_9-Net-(D2-3): D2#24.3 D3#23.1
Board_9-unconnected-(D3-Dout-Pad3): D3#23.3
Board_9-VSS: C1#5.1 C2#7.1 C3#2.1 D1#19.4 D2#24.4 D3#23.4 J9#23.3
Board_10-3v3: C1#21.2 C2#6.2 C3#3.2 D1#7.2 D2#17.2 D3#7.2 J9#8.2
Board_10-LEDout: D1#7.1 J9#8.1
Board_10-Net-(D1-3): D1#7.3 D2#17.1
Board_10-Net-(D2-3): D2#17.3 D3#7.1
Board_10-unconnected-(D3-Dout-Pad3): D3#7.3
Board_10-VSS: C1#21.1 C2#6.1 C3#3.1 D1#7.4 D2#17.4 D3#7.4 J9#8.3
Board_11-3v3: C1#6.2 C2#24.2 C3#24.2 D1#13.2 D2#9.2 D3#17.2 J9#17.2
Board_11-LEDout: D1#13.1 J9#17.1
Board_11-Net-(D1-3): D1#13.3 D2#9.1
Board_11-Net-(D2-3): D2#9.3 D3#17.1
Board_11-unconnected-(D3-Dout-Pad3): D3#17.3
Board_11-VSS: C1#6.1 C2#24.1 C3#24.1 D1#13.4 D2#9.4 D3#17.4 J9#17.3
Board_12-3v3: C1#19.2 C2#15.2 C3#10.2 D1#2.2 D2#4.2 D3#6.2 J9#10.2
Board_12-LEDout: D1#2.1 J9#10.1
Board_12-Net-(D1-3): D1#2.3 D2#4.1
Board_12-Net-(D2-3): D2#4.3 D3#6.1
Board_12-unconnected-(D3-Dout-Pad3): D3#6.3
Board_12-VSS: C1#19.1 C2#15.1 C3#10.1 D1#2.4 D2#4.4 D3#6.4 J9#10.3
Board_13-3v3: C1#12.2 C2#18.2 C3#23.2 D1#22.2 D2#19.2 D3#11.2 J9#6.2
Board_13-LEDout: D1#22.1 J9#6.1
Board_13-Net-(D1-3): D1#22.3 D2#19.1
Board_13-Net-(D2-3): D2#19.3 D3#11.1
Board_13-unconnected-(D3-Dout-Pad3): D3#11.3
Board_13-VSS: C1#12.1 C2#18.1 C3#23.1 D1#22.4 D2#19.4 D3#11.4 J9#6.3
Board_14-3v3: C1#17.2 C2#12.2 C3#22.2 D1#10.2 D2#13.2 D3#22.2 J9#18.2
Board_14-LEDout: D1#10.1 J9#18.1
Board_14-Net-(D1-3): D1#10.3 D2#13.1
Board_14-Net-(D2-3): D2#13.3 D3#22.1
Board_14-unconnected-(D3-Dout-Pad3): D3#22.3
Board_14-VSS: C1#17.1 C2#12.1 C3#22.1 D1#10.4 D2#13.4 D3#22.4 J9#18.3
Board_15-3v3: C1#7.2 C2#9.2 C3#13.2 D1#3.2 D2#21.2 D3#14.2 J9#21.2
Board_15-LEDout: D1#3.1 J9#21.1
Board_15-Net-(D1-3): D1#3.3 D2#21.1
Board_15-Net-(D2-3): D2#21.3 D3#14.1
Board_15-unconnected-(D3-Dout-Pad3): D3#14.3
Board_15-VSS: C1#7.1 C2#9.1 C3#13.1 D1#3.4 D2#21.4 D3#14.4 J9#21.3
Board_16-3v3: C1#9.2 C2#13.2 C3#18.2 D1#21.2 D2#20.2 D3#19.2 J9#12.2
Board_16-LEDout: D1#21.1 J9#12.1
Board_16-Net-(D1-3): D1#21.3 D2#20.1
Board_16-Net-(D2-3): D2#20.3 D3#19.1
Board_16-unconnected-(D3-Dout-Pad3): D3#19.3
Board_16-VSS: C1#9.1 C2#13.1 C3#18.1 D1#21.4 D2#20.4 D3#19.4 J9#12.3
Board_17-3v3: C1#10.2 C2#21.2 C3#15.2 D1#23.2 D2#6.2 D3#3.2 J9#15.2
Board_17-LEDout: D1#23.1 J9#15.1
Board_17-Net-(D1-3): D1#23.3 D2#6.1
Board_17-Net-(D2-3): D2#6.3 D3#3.1
Board_17-unconnected-(D3-Dout-Pad3): D3#3.3
Board_17-VSS: C1#10.1 C2#21.1 C3#15.1 D1#23.4 D2#6.4 D3#3.4 J9#15.3
Board_18-3v3: C1#24.2 C2#10.2 C3#17.2 D1#8.2 D2#23.2 D3#20.2 J9#20.2
